# Allegro board Coral-Dev-Board-Mini-layout-Allegro.brd (continued)
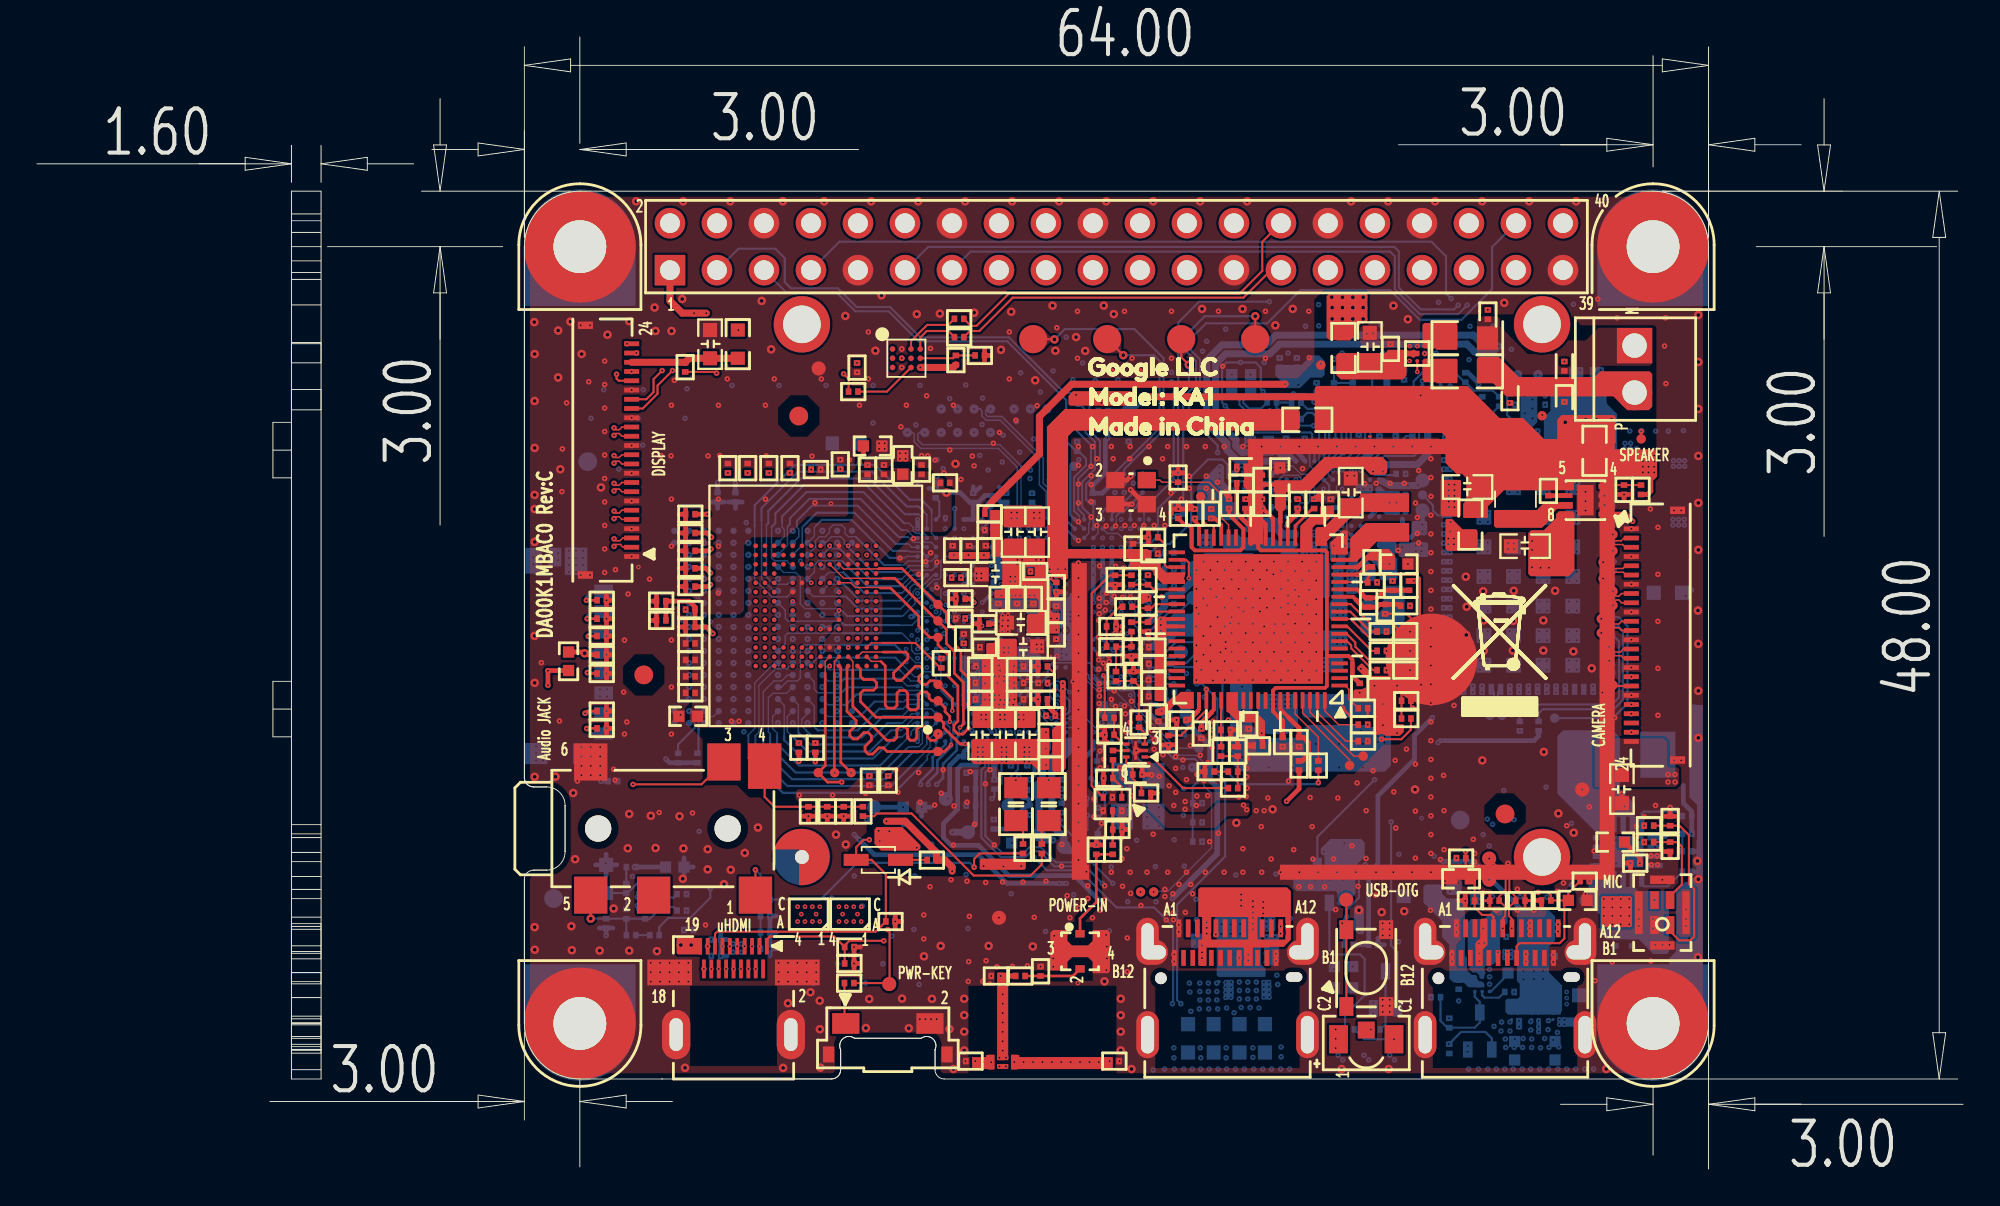
[diagram p0: board, top side]
## Routing (per net, layer and track width the routed paths; a pad name or vN(x,y) marks a point on that pad's centre or on a via; arc(x,y) is an arc through that point) (continued)
CAM1_RESETB: length 45.8
  L03_IN1 w0.089: v2(86.16,23.61) v15(85.52,23.61)
  L08_IN4 w0.089: v15(85.52,23.61) 85.27,23.61 78.76,17.11 76.47,17.11 76.29,16.93 75.84,16.93 75.47,16.55 74.55,16.55 73.97,17.14 62,17.14 60.52,15.66 60.07,15.66 59.86,15.44 v9(58.14,15.44)
  BOTTOM w0.114: v9(58.14,15.44) 57,16.58 55.06,16.58 54.25,17.39 53.64,17.39 53.34,17.09 52.17,17.09 51.25,18 51.25,21.45 51.43,21.62 51.43,22.56 51.54,22.67 51.9,22.67 52.09,22.86 U6.K25
CAM_I2C_SCL: length 88.5
  TOP w0.114: v7(34.34,43.17) 33.54,42.36 33.54,41.92 32.74,41.12 J3.17
  L03_IN1 w0.089: v2(86.16,25.11) v6(86.16,25.52)
  L07_IN3 w0.084: v6(86.16,25.52) 87.47,26.83 87.47,39.37 87.47,39.37 87.47,39.53 87.47,39.54 87.22,39.8 87.22,40.14 86.89,40.46 85.74,40.46 83.93,42.28 80.22,42.28 78.72,40.79 74.73,40.79 73.63,41.89 73.57,41.89 73.51,41.95 72.74,41.95 60.73,41.95 60.12,41.35 57.31,41.35 57.02,41.06 57.02,40.34 v9(57.37,39.99)
  L08_IN4 w0.089: v7(34.34,43.17) 35.07,43.9 37.61,43.9 38.05,43.45 46.2,43.45 47.42,44.67 48.52,44.67 49.61,43.58 53.7,43.58 57.29,39.99 v9(57.37,39.99) 57.37,35.88 57.93,35.32 57.93,34.05 57.54,33.66 56.34,33.66 56.02,33.33 56.02,32.81 55.85,32.65 55.85,32.38 v10(55.59,32.12)
CAM_I2C_SDA: length 90.4
  TOP w0.114: v7(33.78,43.17) 33.32,42.7 33.32,42.01 32.93,41.62 J3.18
  L03_IN1 w0.089: v6(85.67,25.04) 86.1,24.61 v2(86.16,24.61)
  L07_IN3 w0.084: v9(57.37,40.98) 60.12,40.98 60.9,41.76 72.11,41.76 73.43,41.76 74.79,40.41 78.6,40.41 80.27,42.07 81.22,42.07 81.81,41.48 81.81,40.38 82.34,39.85 84.96,39.85 85.36,40.25 86.78,40.25 87.01,40.02 87.01,39.73 87.28,39.45 87.28,27.14 85.67,25.53 v6(85.67,25.04)
  L08_IN4 w0.089: v10(55.59,31.62) 56.02,32.05 56.02,32.58 56.18,32.74 56.18,33.26 56.41,33.49 57.61,33.49 58.12,34 58.12,35.4 57.57,35.96 57.57,38.33 58.17,38.94 58.17,40.18 v9(57.37,40.98) 54.53,43.82 49.7,43.82 48.64,44.88 47.3,44.88 46.06,43.64 38.29,43.64 37.84,44.09 34.7,44.09 v7(33.78,43.17)
CC1: length 29
  TOP w0.114: J2.A5 78.71,13.63 78.61,13.74 78.1,13.74 77.7,14.14 ESD7.2 77.7,15.46 R169.2 77.21,15.94 77.21,16.8 ; 77.21,16.8 R177.1 ; 77.21,16.8 v2(77.21,17.16)
  L03_IN1 w0.089: v2(77.21,17.16) 77.21,17.3 75.24,19.27 75.24,35.83 73.48,37.59 v4(73.45,37.59)
  L05_POW w0.114: v5(74.33,38.73) 73.45,37.85 v4(73.45,37.59)
  L06_GND2 w0.114: v9(74.33,39.12) v5(74.33,38.73)
CC2: length 35.4
  TOP w0.114: R170.2 82.55,14.31 82.55,12.47 82.29,12.21 80.13,12.21 79.96,12.04 J2.B5 ; R170.2 82.76,14.94 R176.1 ; R170.2 ESD6.2 81.82,14.8 81.64,14.98 81.15,14.98 v2(81.12,14.96)
  L03_IN1 w0.089: v2(81.12,14.96) 80.84,14.96 79.55,16.25 79.55,16.71 78.77,17.49 77.35,17.49 75.43,19.41 75.43,36.12 v9(73.97,37.59)
CEC: length 40.2
  TOP w0.114: CON1.15 36.64,12.72 36.76,12.83 45.32,12.83 C156.1 45.87,15.94 45.1,16.71 D4.C 44.27,17.4 44.67,17.8 v7(44.98,17.8)
  L08_IN4 w0.089: v10(59.59,31.62) 59.46,31.62 59.2,31.88 58.96,31.88 58.93,31.91 58.38,31.91 58.33,31.87 57.49,31.87 57.34,31.72 57.34,29.68 56.49,28.83 56.49,27.67 56.19,27.37 56.12,27.37 56.05,27.3 55.11,27.3 54.25,26.44 53.86,26.44 51.38,23.96 51.38,23.61 50.97,23.2 50.97,22.72 50.55,22.3 50.55,20.45 49.63,19.53 48.44,19.53 46.71,17.8 v7(44.98,17.8)
CHRLDO: length 5.7
  BOTTOM w0.076: 71.7,38.88 71.28,38.46 71.28,37.51 U1.H3
  BOTTOM w0.114: R33.2 71.11,41.94 72.19,40.86 72.19,40.35 72.06,40.22 72.06,39.24 71.7,38.88
CLK_26M: length 20.2
  L08_IN4 w0.076: 60.05,23.43 59.6,22.98
  L08_IN4 w0.089: 60.05,23.43 61.4,24.78 62.26,24.78 64.66,27.18 64.66,30.62 64.53,30.75 64.53,35.88 65.07,36.42 65.07,37.41 v9(65.25,37.59) ; 59.6,22.98 59.46,22.85 58.79,22.85 v10(57.51,24.12)
CLK_32K: length 24.3
  L07_IN3 w0.084: v9(57.25,27.02) 57.55,27.32 57.55,28.3 57.67,28.41 57.67,28.74 58.87,29.94 58.87,30.22 58.72,30.37 58.44,30.37 58.34,30.47 58.34,32.15 59.46,33.27 v9(59.59,33.27)
  BOTTOM w0.076: 54.91,27.37 56.88,27.37 57.23,27.02
  BOTTOM w0.089: v9(57.25,27.02) 57.23,27.02
  BOTTOM w0.114: 54.91,27.37 54.62,27.08 54.62,26.65 54.31,26.33 53.37,26.33 U6.M18 ; v9(59.59,33.27) 59.75,33.27 59.77,33.29 60.15,33.29 60.66,33.8 61.23,33.8 62.38,34.95 62.38,37.45 63.29,38.36 64.07,38.36 64.34,38.09 64.34,37.38 64.54,37.18 65.78,37.18 R93.2
CLK_N: length 23.3
  L03_IN1 w0.071: v15(58.6,25.47) 58.42,25.65 58.42,25.86 58.21,26.08 57.82,26.08 53.35,21.61 52.77,21.61 50.13,18.97 47.86,18.97 45.72,16.83 44.15,16.83 42.65,15.33 42.09,15.33 41.21,14.45 41.21,14.29 v14(41.11,14.18)
  L08_IN4 w0.071: v15(58.6,25.47) 58.6,25.42 58.59,25.41 v10(58.59,25.12)
CLK_P: length 22.6
  L03_IN1 w0.071: v15(58.04,25.47) 58.22,25.65 58.22,25.78 58.12,25.87 57.9,25.87 53.44,21.41 52.85,21.41 50.21,18.77 47.95,18.77 45.8,16.62 44.23,16.62 42.74,15.13 42.18,15.13 41.42,14.37 41.42,14.27 v14(41.51,14.18)
  L08_IN4 w0.071: v15(58.04,25.47) 58.09,25.43 v10(58.09,25.12)
D0N: length 24.5
  L03_IN1 w0.071: v14(41.91,14.18) 42.04,14.31 42.04,14.45 42.34,14.75 42.89,14.75 44.2,16.06 45.87,16.06 48.17,18.36 50.94,18.36 54.72,22.14 55.12,22.14 55.73,21.53 55.89,21.53 56,21.64 56,21.8 55.37,22.43 55.37,22.79 56.36,23.78 57.55,23.78 57.89,24.12 57.89,24.32 v15(57.69,24.52)
  L08_IN4 w0.071: v15(57.69,24.52) 58.05,24.16 58.48,24.16 58.94,24.62 v10(59.09,24.62)
D0P: length 23.2
  L03_IN1 w0.071: v14(42.31,14.18) 42.24,14.24 42.24,14.36 42.43,14.55 42.98,14.55 44.28,15.85 45.96,15.85 48.26,18.16 51.02,18.16 54.81,21.94 55.04,21.94 55.65,21.33 55.97,21.33 56.2,21.56 56.2,21.88 55.57,22.51 55.57,22.7 56.45,23.58 57.63,23.58 58.09,24.03 58.09,24.36 v15(58.25,24.52)
  L08_IN4 w0.071: v15(58.25,24.52) 58.31,24.46 58.49,24.46 58.59,24.56 v10(58.59,24.62)
D1N: length 23.8
  L03_IN1 w0.071: v15(60.08,24.55) 60.13,24.49 60.13,23.39 59.37,22.63 58.92,22.63 55.77,19.47 55.44,19.47 55.25,19.67 55.09,19.67 54.98,19.55 54.98,19.4 55.18,19.2 55.18,18.88 53.21,16.91 49.13,16.91 45.9,13.68 43.68,13.68 43.46,13.9 43.46,14.06 v14(43.34,14.18)
  L08_IN4 w0.071: v10(59.59,24.12) 59.65,24.12 v15(60.08,24.55)
D1P: length 23.3
  L03_IN1 w0.071: v15(59.52,24.55) 59.93,24.14 59.93,23.48 59.28,22.83 58.84,22.83 55.68,19.67 55.53,19.67 55.33,19.87 55.01,19.87 54.78,19.64 54.78,19.32 54.97,19.12 54.97,18.96 53.12,17.11 49.05,17.11 45.81,13.88 43.77,13.88 43.66,13.98 43.66,14.1 v14(43.74,14.18)
  L08_IN4 w0.071: v10(59.09,24.12) 59.25,24.12 59.52,24.39 v15(59.52,24.55)
D2N: length 23.4
  L03_IN1 w0.071: v14(44.14,14.18) 44.23,14.27 44.23,14.53 45.02,15.32 46.18,15.32 48.58,17.72 51.33,17.72 52.08,18.47 52.4,18.47 52.81,18.06 52.91,18.06 53.08,18.23 53.08,18.33 52.67,18.74 52.67,19.06 52.9,19.29 53.22,19.29 53.63,18.89 53.73,18.89 53.89,19.05 53.89,19.15 53.49,19.56 53.49,19.88 54.21,20.6 55.8,20.6 58.29,23.1 58.29,23.9 58.65,24.25 59.13,24.25 59.4,23.98 59.4,23.81 v10(59.59,23.62)
D2P: length 22.7
  L03_IN1 w0.071: v14(44.54,14.18) 44.44,14.28 44.44,14.45 45.11,15.12 46.26,15.12 48.66,17.52 51.42,17.52 52.16,18.27 52.32,18.27 52.73,17.86 53,17.86 53.28,18.14 53.28,18.41 52.87,18.82 52.87,18.98 52.98,19.09 53.14,19.09 53.54,18.68 53.81,18.68 54.1,18.97 54.1,19.24 53.69,19.64 53.69,19.8 54.3,20.4 55.88,20.4 58.5,23.02 58.5,23.81 58.73,24.05 59.05,24.05 59.2,23.9 59.2,23.77 v10(59.04,23.62)
DDC_SCL: length 36.1
  L08_IN4 w0.089: v10(59.43,31.27) 59.41,31.27 59.31,31.37 58.98,31.37 58.34,30.73 58.34,30.02 58.17,29.85 57.99,29.85 56.82,28.68 56.82,27.54 56.33,27.04 56.26,27.04 56.19,26.97 55.28,26.97 54.38,26.07 53.95,26.07 51.71,23.82 51.71,23.48 51.35,23.12 51.35,22.56 50.95,22.17 50.95,19.69 50.39,19.13 49.12,19.13 48.46,18.47 48.46,15.93 45.27,12.75 36.78,12.75 v9(36.44,12.41) 36.24,12.21 v7(36.24,12.04)
  BOTTOM w0.114: U6.AE9 59.45,31.25 59.45,31.25 v10(59.43,31.27)
DDC_SDA: length 37.9
  L08_IN4 w0.089: v7(36.04,10.82) 36.05,10.82 36.44,11.2 v9(36.44,11.52) 36.35,11.52 35.94,11.92 35.94,12.33 36.55,12.94 45.19,12.94 48.27,16.01 48.27,18.55 49.04,19.32 50.31,19.32 50.76,19.77 50.76,22.24 51.16,22.64 51.16,23.16 51.54,23.55 51.54,23.89 53.89,26.23 54.3,26.23 55.2,27.14 56.12,27.14 56.19,27.21 56.26,27.21 56.66,27.6 56.66,28.76 57.84,29.94 57.84,30.93 58.65,31.75 58.86,31.75 58.99,31.62 v10(59.09,31.62)
DDRVREF: length 20.6
  TOP w0.254: C517.1 C518.1 35.25,30.7 35.56,30.39 C516.2 C519.1 36.17,29.31 v7(36.53,28.95)
  L04_IN2 w0.127: v18(49.43,31.97) 49.43,30.92 47.76,29.25 v7(46.26,29.25)
  L08_IN4 w0.127: v7(46.26,29.25) 45.98,28.98 43.54,28.98 43.21,29.31 v10(42.81,29.31) U501.J11 42.11,28.98 37.16,28.98 v10(36.84,28.66)
  L08_IN4 w0.254: v7(36.53,28.95) 36.82,28.66 v10(36.84,28.66)
  BOTTOM w0.127: v10(42.81,29.31) U501.J11
DSI_3P3: length 5.8
  TOP w0.381: L29.2 C520.2 35.26,43.83 R178.2 35.02,43.62 J3.22
DSI_RST: length 36.1
  TOP w0.114: J3.20 31.43,42.62 31.32,42.73 v7(31.32,42.97)
  L08_IN4 w0.089: v10(55.59,33.12) 55.34,33.37 55.34,33.75 55.46,33.87 56.02,33.87 56.8,34.65 56.8,39.51 55.56,40.75 54.03,40.75 v9(53.69,41.09) 51.9,42.88 37.4,42.88 36.96,43.33 35.54,43.33 34.7,42.49 31.8,42.49 v7(31.32,42.97)
DSI_TCN: length 41.1
  TOP w0.081: J3.9 31.61,37.12 31.46,36.97 31.29,36.97 v2(31.19,37.07)
  L03_IN1 w0.071: v9(49.75,39.82) 49.73,39.82 49.65,39.9 49.65,40.31 49.41,40.56 48.41,40.56 47.8,41.17 30.69,41.17 29.88,40.36 29.88,37.79 30.14,37.53 32.24,37.53 32.36,37.4 32.36,37.1 32.24,36.97 31.29,36.97 v2(31.19,37.07)
  L08_IN4 w0.071: v9(49.75,39.82) 49.56,39.82 49.49,39.75 49.49,39.23 50.36,38.35 54.36,38.35 55.01,37.7 55.01,35.73 54.17,34.89 54.17,33.52 53.92,33.27 53.74,33.27 v10(53.59,33.12)
DSI_TCP: length 41.1
  TOP w0.081: v2(31.19,36.66) 31.29,36.77 31.46,36.77 31.61,36.62 J3.8
  L03_IN1 w0.071: v2(31.19,36.66) 31.29,36.77 32.32,36.77 32.57,37.01 32.57,37.48 32.32,37.73 30.22,37.73 30.08,37.87 30.08,40.27 30.77,40.97 47.71,40.97 48.32,40.36 49.32,40.36 49.45,40.23 49.45,39.95 49.32,39.82 v9(48.87,39.82)
  L08_IN4 w0.071: v10(53.59,33.62) 53.74,33.47 53.84,33.47 53.97,33.6 53.97,34.98 54.81,35.82 54.81,37.61 54.28,38.15 50.28,38.15 49.28,39.14 49.28,39.75 49.21,39.82 v9(48.87,39.82)
DSI_TDN0: length 41.3
  TOP w0.081: v2(31.19,38.57) 31.29,38.47 31.46,38.47 31.61,38.62 J3.12
  L03_IN1 w0.071: v2(31.19,38.57) 31.18,38.57 30.98,38.37 30.76,38.37 30.63,38.49 30.63,40.08 30.98,40.43 32.29,40.43 32.43,40.3 32.43,39.92 32.68,39.67 33.07,39.67 33.32,39.92 33.32,40.3 33.45,40.43 33.68,40.43 33.81,40.3 33.81,39.7 34.06,39.45 34.42,39.45 34.67,39.7 34.67,40.3 34.8,40.43 34.99,40.43 35.12,40.3 35.12,39.7 35.37,39.45 35.73,39.45 35.98,39.7 35.98,40.3 36.11,40.43 36.3,40.43 36.43,40.3 36.43,39.7 36.68,39.45 37.04,39.45 37.29,39.7 37.29,40.3 37.42,40.43 37.61,40.43 37.74,40.3 37.74,39.7 37.99,39.45 38.35,39.45 38.6,39.7 38.6,40.3 38.73,40.43 38.92,40.43 39.05,40.3 39.05,39.7 39.3,39.45 39.66,39.45 39.91,39.7 39.91,40.3 40.04,40.43 47.4,40.43 47.58,40.24 47.58,39.95 47.46,39.82 v9(47.04,39.82)
  BOTTOM w0.081: v9(47.04,39.82) 47.32,39.82 47.41,39.74 47.41,39.32 47.77,38.96 51.96,38.96 52.97,37.94 52.97,35.74 53.61,35.11 53.61,34.95 53.84,34.72 53.84,34.37 U6.P3
DSI_TDN1: length 41.7
  TOP w0.081: J3.6 31.61,35.62 31.46,35.47 31.29,35.47 v2(31.19,35.57)
  L03_IN1 w0.071: v9(49.75,41.09) 49.68,41.09 49.56,41.22 49.56,41.52 49.29,41.79 30.51,41.79 29.33,40.61 29.33,36.97 30.27,36.04 31.41,36.04 31.61,35.83 31.61,35.61 31.49,35.48 31.27,35.48 v2(31.19,35.57)
  L08_IN4 w0.071: v9(49.75,41.09) 49.71,41.09 49.6,40.98 49.6,40.74 50.29,40.05 50.29,39.57 50.92,38.93 54.53,38.93 55.55,37.92 55.55,35.43 55.11,34.99 55.11,34.54 54.89,34.32 54.79,34.32 v10(54.59,34.12)
DSI_TDN2: length 41.7
  TOP w0.081: J3.3 31.65,34.12 31.51,33.97 31.29,33.97 v2(31.19,34.07)
  L03_IN1 w0.071: v9(50.64,41.09) 50.75,40.98 50.97,40.98 51.09,41.11 51.09,41.38 50.37,42.11 30.34,42.11 29.01,40.79 29.01,35.85 30.89,33.96 31.08,33.96 v2(31.19,34.07)
  BOTTOM w0.081: v9(50.64,41.09) 50.98,41.09 51.06,41.01 51.06,40.72 51.3,40.48 52.06,40.48 54.17,38.37 54.17,36.99 54.53,36.64 54.53,35.18 U6.T2
DSI_TDN3: length 41.5
  TOP w0.081: J3.15 31.61,40.12 31.46,39.97 31.29,39.97 v2(31.19,40.07)
  L03_IN1 w0.071: v9(50.64,39.82) 50.92,39.82 50.99,39.75 50.99,39.49 50.62,39.12 46.6,39.12 46.47,39.26 46.47,39.86 46.22,40.11 45.86,40.11 45.61,39.86 45.61,39.26 45.48,39.12 45.29,39.12 45.16,39.26 45.16,39.86 44.91,40.11 44.55,40.11 44.3,39.86 44.3,39.26 44.17,39.12 43.98,39.12 43.85,39.26 43.85,39.86 43.6,40.11 43.24,40.11 42.99,39.86 42.99,39.26 42.86,39.12 42.67,39.12 42.54,39.26 42.54,39.86 42.29,40.11 41.93,40.11 41.68,39.86 41.68,39.26 41.55,39.12 41.36,39.12 41.23,39.26 41.23,39.86 40.98,40.11 40.62,40.11 40.37,39.86 40.37,39.26 40.24,39.12 32.41,39.12 31.57,39.96 31.29,39.96 v2(31.19,40.07)
  L08_IN4 w0.071: v9(50.64,39.82) 50.92,39.82 50.99,39.75 50.99,39.57 51.26,39.29 54.64,39.29 55.88,38.06 55.88,35.05 54.57,33.74 54.57,33.46 54.76,33.27 54.94,33.27 v10(55.09,33.12)
DSI_TDP0: length 41.3
  TOP w0.081: J3.11 31.61,38.12 31.46,38.27 31.29,38.27 v2(31.19,38.16)
  L03_IN1 w0.071: v9(47.98,39.82) 47.91,39.82 47.79,39.95 47.79,40.33 47.48,40.64 39.96,40.64 39.71,40.38 39.71,39.79 39.58,39.65 39.39,39.65 39.26,39.79 39.26,40.38 39.01,40.64 38.65,40.64 38.4,40.38 38.4,39.79 38.27,39.65 38.08,39.65 37.95,39.79 37.95,40.38 37.69,40.64 37.34,40.64 37.09,40.38 37.09,39.79 36.96,39.65 36.77,39.65 36.64,39.79 36.64,40.38 36.38,40.64 36.03,40.64 35.78,40.38 35.78,39.79 35.64,39.65 35.46,39.65 35.32,39.79 35.32,40.38 35.07,40.64 34.72,40.64 34.47,40.38 34.47,39.79 34.33,39.65 34.15,39.65 34.01,39.79 34.01,40.38 33.76,40.64 33.37,40.64 33.12,40.38 33.12,40 32.98,39.87 32.76,39.87 32.63,40 32.63,40.38 32.38,40.64 30.9,40.64 30.43,40.16 30.43,38.41 30.67,38.16 v2(31.19,38.16)
  BOTTOM w0.081: U6.P2 54.09,34.75 53.81,35.03 53.81,35.19 53.18,35.83 53.18,38.02 52.04,39.16 47.85,39.16 47.61,39.4 47.61,39.74 47.69,39.82 v9(47.98,39.82)
DSI_TDP1: length 41.6
  TOP w0.081: v2(31.19,35.16) 31.29,35.27 31.46,35.27 31.61,35.12 J3.5
  L03_IN1 w0.071: v2(31.19,35.16) 31.3,35.28 31.57,35.28 31.82,35.53 31.82,35.91 31.49,36.24 30.35,36.24 29.54,37.06 29.54,40.52 30.6,41.58 49.2,41.58 49.35,41.43 49.35,41.24 49.2,41.09 v9(48.87,41.09)
  L08_IN4 w0.071: v9(48.87,41.09) 49.29,41.09 49.39,40.99 49.39,40.66 50.08,39.97 50.08,39.48 50.84,38.73 54.45,38.73 55.34,37.83 55.34,35.51 54.91,35.08 54.91,34.62 54.81,34.52 54.69,34.52 v10(54.59,34.62)
DSI_TDP2: length 41.8
  TOP w0.081: v2(31.19,33.66) 31.29,33.77 31.52,33.77 31.67,33.62 J3.2
  L03_IN1 w0.071: v9(51.53,41.09) 51.42,41.09 51.3,41.22 51.3,41.47 50.45,42.32 30.25,42.32 28.81,40.87 28.81,35.76 30.81,33.76 31.09,33.76 v2(31.19,33.66)
  BOTTOM w0.081: U6.T1 55.04,35.07 54.93,35.07 54.73,35.26 54.73,36.72 54.38,37.08 54.38,38.45 52.14,40.69 51.38,40.69 51.27,40.8 51.27,41.01 51.35,41.09 v9(51.53,41.09)
DSI_TDP3: length 41.5
  TOP w0.081: J3.14 31.61,39.62 31.46,39.77 31.29,39.77 v2(31.19,39.66)
  L03_IN1 w0.071: v9(51.53,39.82) 51.26,39.82 51.19,39.75 51.19,39.41 50.7,38.92 46.52,38.92 46.27,39.17 46.27,39.77 46.14,39.9 45.95,39.9 45.82,39.77 45.82,39.17 45.56,38.92 45.21,38.92 44.96,39.17 44.96,39.77 44.82,39.9 44.64,39.9 44.5,39.77 44.5,39.17 44.25,38.92 43.9,38.92 43.65,39.17 43.65,39.77 43.51,39.9 43.33,39.9 43.19,39.77 43.19,39.17 42.94,38.92 42.59,38.92 42.34,39.17 42.34,39.77 42.2,39.9 42.02,39.9 41.88,39.77 41.88,39.17 41.63,38.92 41.28,38.92 41.02,39.17 41.02,39.77 40.89,39.9 40.71,39.9 40.57,39.77 40.57,39.17 40.32,38.92 32.32,38.92 31.48,39.76 31.28,39.76 v2(31.19,39.66)
  L08_IN4 w0.071: v10(55.09,33.62) 54.94,33.47 54.84,33.47 54.77,33.54 54.77,33.65 56.08,34.96 56.08,38.14 54.73,39.49 51.35,39.49 51.19,39.65 51.19,39.75 51.26,39.82 v9(51.53,39.82)
DSI_TE: length 29.1
  TOP w0.114: v7(36.73,43.03) 36.66,43.1 R178.1
  L08_IN4 w0.089: v10(55.59,34.12) 55.99,34.12 56.61,34.73 56.61,39.4 55.45,40.56 53.34,40.56 v9(52.8,41.09) 51.2,42.69 37.07,42.69 v7(36.73,43.03)
EA0: length 16.8
  L08_IN4 w0.071: v10(49.09,29.62) 49.34,29.87 49.34,30.67 49.2,30.8 48.98,30.8 48.85,30.93 48.85,31.31 47.78,32.38 44.99,32.38 43.84,33.52 35.56,33.52 v10(35.24,33.21)
EA1: length 16.2
  L08_IN4 w0.071: v10(48.59,29.62) 48.85,29.88 48.85,30.32 48.7,30.47 48.7,31.08 47.65,32.13 44.65,32.13 43.89,32.89 42.42,32.89 42.11,33.19 36.63,33.19 35.99,32.56 v10(35.24,32.56)
EA2: length 19.2
  L08_IN4 w0.071: v10(50.09,29.62) 50.09,30.25 49.35,30.99 49.35,31.22 47.93,32.63 45.21,32.63 44.05,33.8 35.36,33.8 34.9,33.34 34.9,32.25 v10(35.24,31.91)
EA3: length 15.6
  L08_IN4 w0.071: v10(48.09,30.12) 47.98,30.22 47.98,31.44 47.58,31.85 44.38,31.85 44.01,32.21 39.53,32.21 39.42,32.09 39.42,31.96 39.3,31.85 39.13,31.85 39.02,31.96 39.02,32.09 38.9,32.21 38.73,32.21 38.62,32.09 38.62,31.96 38.5,31.85 38.33,31.85 38.22,31.96 38.22,32.09 38.1,32.21 37.93,32.21 37.81,32.09 37.81,31.96 37.7,31.85 37.53,31.85 37.41,31.96 37.41,32.09 37.3,32.21 37.13,32.21 37.01,32.09 37.01,31.96 36.9,31.85 36.73,31.85 36.61,31.96 36.61,32.09 36.5,32.21 36.35,32.21 v10(36.04,31.91)
EA4: length 14.4
  L08_IN4 w0.071: v10(36.04,31.26) 36.33,31.54 39.65,31.54 39.75,31.44 39.75,31.38 39.87,31.26 40.03,31.26 40.15,31.38 40.15,31.44 40.27,31.56 40.43,31.56 40.55,31.44 40.55,31.38 40.67,31.26 40.83,31.26 40.95,31.38 40.95,31.44 41.07,31.56 41.23,31.56 41.35,31.44 41.35,31.38 41.47,31.26 41.63,31.26 41.75,31.38 41.75,31.44 41.87,31.56 42.03,31.56 42.15,31.44 42.15,31.38 42.27,31.26 42.43,31.26 42.55,31.38 42.55,31.44 42.67,31.56 47.56,31.56 47.83,31.29 47.83,30.72 v10(47.73,30.62)
  BOTTOM w0.076: U6.B10 v10(47.73,30.62)
EA5: length 14.6
  L08_IN4 w0.071: v10(36.04,27.36) 36.39,27.7 36.67,27.7 36.79,27.58 36.79,27.42 36.9,27.3 37.07,27.3 37.19,27.42 37.19,27.58 37.3,27.7 37.47,27.7 37.59,27.58 37.59,27.42 37.7,27.3 37.87,27.3 37.99,27.42 37.99,27.58 38.1,27.7 38.27,27.7 38.39,27.58 38.39,27.42 38.5,27.3 38.67,27.3 38.79,27.42 38.79,27.58 38.91,27.7 39.07,27.7 39.19,27.58 39.19,27.42 39.31,27.3 39.47,27.3 39.59,27.42 39.59,27.58 39.71,27.7 42.3,27.7 42.57,27.43 45.44,27.43 47.13,29.12 v10(47.59,29.12)
EA6: length 14.8
  L08_IN4 w0.071: v10(47.59,27.62) 46.37,26.4 45.2,26.4 45.08,26.52 45.08,26.62 44.97,26.74 44.8,26.74 44.68,26.62 44.68,26.52 44.57,26.4 44.4,26.4 44.28,26.52 44.28,26.62 44.16,26.74 44,26.74 43.88,26.62 43.88,26.52 43.76,26.4 39.8,26.4 39.69,26.52 39.69,26.65 39.57,26.77 39.4,26.77 39.29,26.65 39.29,26.52 39.17,26.4 39,26.4 38.88,26.52 38.88,26.65 38.77,26.77 38.6,26.77 38.48,26.65 38.48,26.52 38.37,26.4 38.2,26.4 38.08,26.52 38.08,26.65 37.97,26.77 37.8,26.77 37.68,26.65 37.68,26.52 37.57,26.4 37.4,26.4 37.28,26.52 37.28,26.65 37.17,26.77 37,26.77 36.88,26.65 36.88,26.52 36.77,26.4 36.35,26.4 v10(36.04,26.71)
EA7: length 14.5
  L08_IN4 w0.071: v10(47.59,28.62) 47.49,28.52 47.02,28.52 45.51,27.01 42.37,27.01 42.25,27.13 42.25,27.26 42.13,27.38 41.97,27.38 41.85,27.26 41.85,27.13 41.73,27.01 41.57,27.01 41.45,27.13 41.45,27.26 41.33,27.38 41.17,27.38 41.05,27.26 41.05,27.13 40.93,27.01 40.77,27.01 40.65,27.13 40.65,27.26 40.53,27.38 40.37,27.38 40.25,27.26 40.25,27.13 40.13,27.01 35.55,27.01 v10(35.24,26.71)
EA8: length 14.6
  L08_IN4 w0.071: v10(35.24,26.06) 35.55,25.75 39.9,25.75 40.01,25.87 40.01,25.99 40.13,26.11 40.3,26.11 40.41,25.99 40.41,25.57 40.54,25.44 42.6,25.44 42.9,25.75 46.22,25.75 v10(48.09,27.62)
EA9: length 16.5
  L08_IN4 w0.071: v10(35.24,25.41) 35.56,25.09 46.97,25.09 48.82,26.94 48.82,27.32 49.61,28.12 v10(50.09,28.12)
ECKE0: length 14.7
  L08_IN4 w0.071: v10(47.59,31.12) 47.42,30.95 45.92,30.95 45.8,30.83 45.8,30.64 45.68,30.52 45.52,30.52 45.4,30.64 45.4,30.83 45.28,30.95 45.12,30.95 45,30.83 45,30.64 44.88,30.52 44.72,30.52 44.6,30.64 44.6,30.94 44.27,31.26 42.83,31.26 42.52,30.95 39.34,30.95 39.22,30.83 39.22,30.69 39.11,30.58 38.94,30.58 38.82,30.69 38.82,30.83 38.71,30.95 38.54,30.95 38.42,30.83 38.42,30.69 38.31,30.58 38.14,30.58 38.02,30.69 38.02,30.83 37.91,30.95 36.7,30.95 36.04,30.3 v10(36.04,29.96)
ECKE1: length 14.1
  L08_IN4 w0.071: v10(36.84,29.96) 37.15,30.26 39.43,30.26 39.56,30.39 39.56,30.47 39.69,30.6 39.87,30.6 40,30.47 40,30.39 40.13,30.26 43.52,30.26 43.64,30.14 43.64,30.03 43.76,29.92 43.92,29.92 44.04,30.03 44.04,30.14 44.16,30.26 44.32,30.26 44.44,30.14 44.44,30.03 44.56,29.92 44.72,29.92 44.84,30.03 44.84,30.14 44.96,30.26 45.12,30.26 45.24,30.14 45.24,30.03 45.36,29.92 45.53,29.92 45.64,30.03 45.64,30.14 45.76,30.26 46.02,30.26 46.15,30.13 46.15,30.04 46.28,29.92 46.46,29.92 46.59,30.04 46.59,30.13 46.72,30.26 47.41,30.26 47.8,29.86 48.34,29.86 v10(48.59,30.12)
ECLK0: length 17.6
  L06_GND2 w0.076: v10(36.04,29.31) 35.82,29.31 35.71,29.41 35.71,30.12 36.86,31.27 39.42,31.27 40.97,29.71 41.85,29.71 42.36,29.2 45.16,29.2 46.26,30.3 47.52,30.3 48.41,29.41 49.18,29.41 49.48,29.71 49.48,30.01 v10(49.59,30.12)
ECLK0_B: length 17.5
  L06_GND2 w0.076: v10(49.09,30.12) 49.28,29.93 49.28,29.79 49.1,29.61 48.49,29.61 47.61,30.49 46.17,30.49 45.08,29.4 42.44,29.4 41.93,29.91 41.05,29.91 39.5,31.46 36.78,31.46 35.52,30.2 35.52,29.41 35.41,29.31 v10(35.24,29.31)
ECS0: length 18
  L08_IN4 w0.071: v10(35.71,30.93) 35.61,30.83 35.61,28.59 35.89,28.32 43.92,28.32 43.93,28.32 44.16,28.32 44.17,28.32 45.85,28.32 46.92,29.38 48.21,29.38 48.46,29.13 48.46,28.49 48.09,28.12 v10(47.59,28.12)
  BOTTOM w0.076: v10(35.71,30.93) 36.04,30.61 U501.L3
ECS1: length 15.6
  L08_IN4 w0.071: v10(48.09,27.12) 48.09,27.15 48.74,27.81 48.74,29.1 48.26,29.59 46.74,29.59 46.69,29.64 36.78,29.64 36.53,29.89 36.53,30.29 v10(36.84,30.61)
ED0: length 14.8
  BOTTOM w0.076: U6.C4 48.33,33.88 47.96,33.88 47.83,34 47.83,34.22 47.67,34.38 47.49,34.38 47.35,34.52 47.35,34.69 47.13,34.91 46.87,34.91 ; 39.7,34.72 39.7,33.04 39.85,32.89 40.51,32.89 U501.P9
  BOTTOM w0.114: 39.7,34.72 39.9,34.91 39.9,35.43 41.43,36.96 44.82,36.96 46.87,34.91
ED1: length 16.4
  BOTTOM w0.076: 47.65,35.4 47.85,35.2 47.85,34.44 48.09,34.2 U6.B3 ; 39.42,34.82 39.42,32.02 39.83,31.62 40.56,31.62 U501.N9
  BOTTOM w0.114: 39.42,34.82 39.52,34.92 39.52,35.58 41.28,37.33 44.97,37.33 46.9,35.4 47.65,35.4
ED2: length 7.4
  BOTTOM w0.076: U6.A7 47.3,32.12 46.69,31.51 46.66,31.51 ; U501.N10 42.01,32.27 42.01,32.66 42.24,32.89 43.49,32.89 43.54,32.84
  BOTTOM w0.114: 46.66,31.51 44.87,31.51 43.54,32.84
ED3: length 6.7
  BOTTOM w0.076: 43.54,32.25 42.79,32.25 U501.N11 ; 46.74,31.13 46.97,31.36 46.97,31.52 47.32,31.87 47.84,31.87 U6.B7
  BOTTOM w0.114: 46.74,31.13 44.7,31.13 43.59,32.25 43.54,32.25
ED4: length 16.4
  BOTTOM w0.076: U6.B2 48.09,35.37 47.93,35.53 ; 39.16,35.07 39.16,31.91 39.81,31.26 U501.M8
  BOTTOM w0.114: 39.16,35.07 39.16,35.73 41.12,37.7 45.13,37.7 47.01,35.82 47.63,35.82 47.93,35.53
ED5: length 19.7
  BOTTOM w0.076: U6.C3 48.35,34.36 48.35,35.53 ; 38.79,34.74 38.79,31.87 39.73,30.93 40.52,30.93 U501.M9
  BOTTOM w0.114: 38.79,34.74 38.79,35.89 40.97,38.07 45.28,38.07 47.16,36.19 47.79,36.19 48.35,35.63 48.35,35.53
ED6: length 8.2
  BOTTOM w0.076: 46.66,30.3 46.69,30.3 47.35,30.96 47.35,31.22 47.49,31.36 47.69,31.36 48.45,32.12 U6.C7 ; U501.M10 41.94,30.96 43.51,30.96
  BOTTOM w0.114: 43.51,30.96 43.72,30.96 44.38,30.3 46.66,30.3
ED7: length 6.2
  BOTTOM w0.076: U6.A8 47.37,31.62 47.17,31.41 47.17,31.16 46.74,30.73 46.66,30.73 ; 43.54,31.62 42.81,31.62 U501.M11
  BOTTOM w0.114: 46.66,30.73 44.47,30.73 43.58,31.62 43.54,31.62
ED8: length 6.2
  BOTTOM w0.076: 46.66,26.94 47.22,26.38 47.8,26.38 48.07,26.12 U6.B19 ; U501.F11 42.81,27 43.36,27 43.54,26.99
  BOTTOM w0.114: 43.54,26.99 46.61,26.99 46.66,26.94
ED9: length 7
  BOTTOM w0.076: U501.F10 41.92,27.36 42.21,27.65 43.54,27.65 ; U6.B18 47.42,26.62 46.66,27.38
  BOTTOM w0.114: 43.54,27.65 46.39,27.65 46.66,27.38
ED10: length 18.1
  BOTTOM w0.076: U6.C24 48.26,23.29 48.26,22.8 47.58,22.12 ; 38.82,23.42 39.02,23.62 39.02,26.16 39.9,27.05 40.53,27.05 U501.F9
  BOTTOM w0.114: 47.58,22.12 46.17,20.71 40.55,20.71 38.82,22.44 38.82,23.42
ED11: length 18.3
  BOTTOM w0.076: U501.F8 39.86,27.36 38.79,26.28 38.79,23.82 38.44,23.47 38.44,23.43 ; 47.84,21.86 48.11,22.13 48.11,22.35 48.59,22.83 U6.C25
  BOTTOM w0.114: 38.44,23.43 38.44,22.21 40.31,20.34 46.32,20.34 47.84,21.86
ED12: length 5.5
  BOTTOM w0.076: U6.A19 47.03,26.12 46.66,26.49 ; U501.E11 42.77,26.38 43.51,26.38 43.54,26.41
  BOTTOM w0.114: 46.66,26.49 46.64,26.51 43.64,26.51 43.54,26.41
ED13: length 7.4
  BOTTOM w0.076: U501.E10 42.01,26.34 42.01,25.93 42.19,25.75 43.49,25.75 43.54,25.8 ; U6.B20 47.83,25.88 46.92,25.88 46.75,26.04 46.66,26.04
  BOTTOM w0.114: 46.66,26.04 43.78,26.04 43.54,25.8
ED14: length 16.1
  BOTTOM w0.076: 47.25,22.45 47.3,22.5 47.63,22.5 48.09,22.96 U6.B24 ; U501.E9 40.56,26.71 40.24,26.38 39.83,26.38 39.25,25.81 39.25,23.41
  BOTTOM w0.114: 47.25,22.45 45.87,21.08 40.79,21.08 39.25,22.62 39.25,23.41
ED15: length 15.3
  BOTTOM w0.076: 46.99,22.71 47.11,22.83 47.65,22.83 47.85,23.02 47.85,23.72 47.99,23.86 48.33,23.86 U6.C23 ; 39.62,23.41 39.62,23.53 39.52,23.63 39.52,25.47 39.78,25.72 40.51,25.72 U501.D9
  BOTTOM w0.114: 39.62,23.41 39.62,22.81 40.04,22.39 40.98,21.44 45.72,21.44 46.99,22.71
ED16: length 10.5
  BOTTOM w0.076: U6.A3 47.44,34.12 47.01,34.54 46.83,34.54 ; 40.27,34.94 40.27,34.69 40.38,34.57 40.38,34.2 U501.T8
  BOTTOM w0.114: 40.27,34.94 40.27,35.28 41.58,36.6 44.67,36.6 46.72,34.54 46.83,34.54
